# KiCad board MLU_BreakoutV2.kicad_pcb (continued)
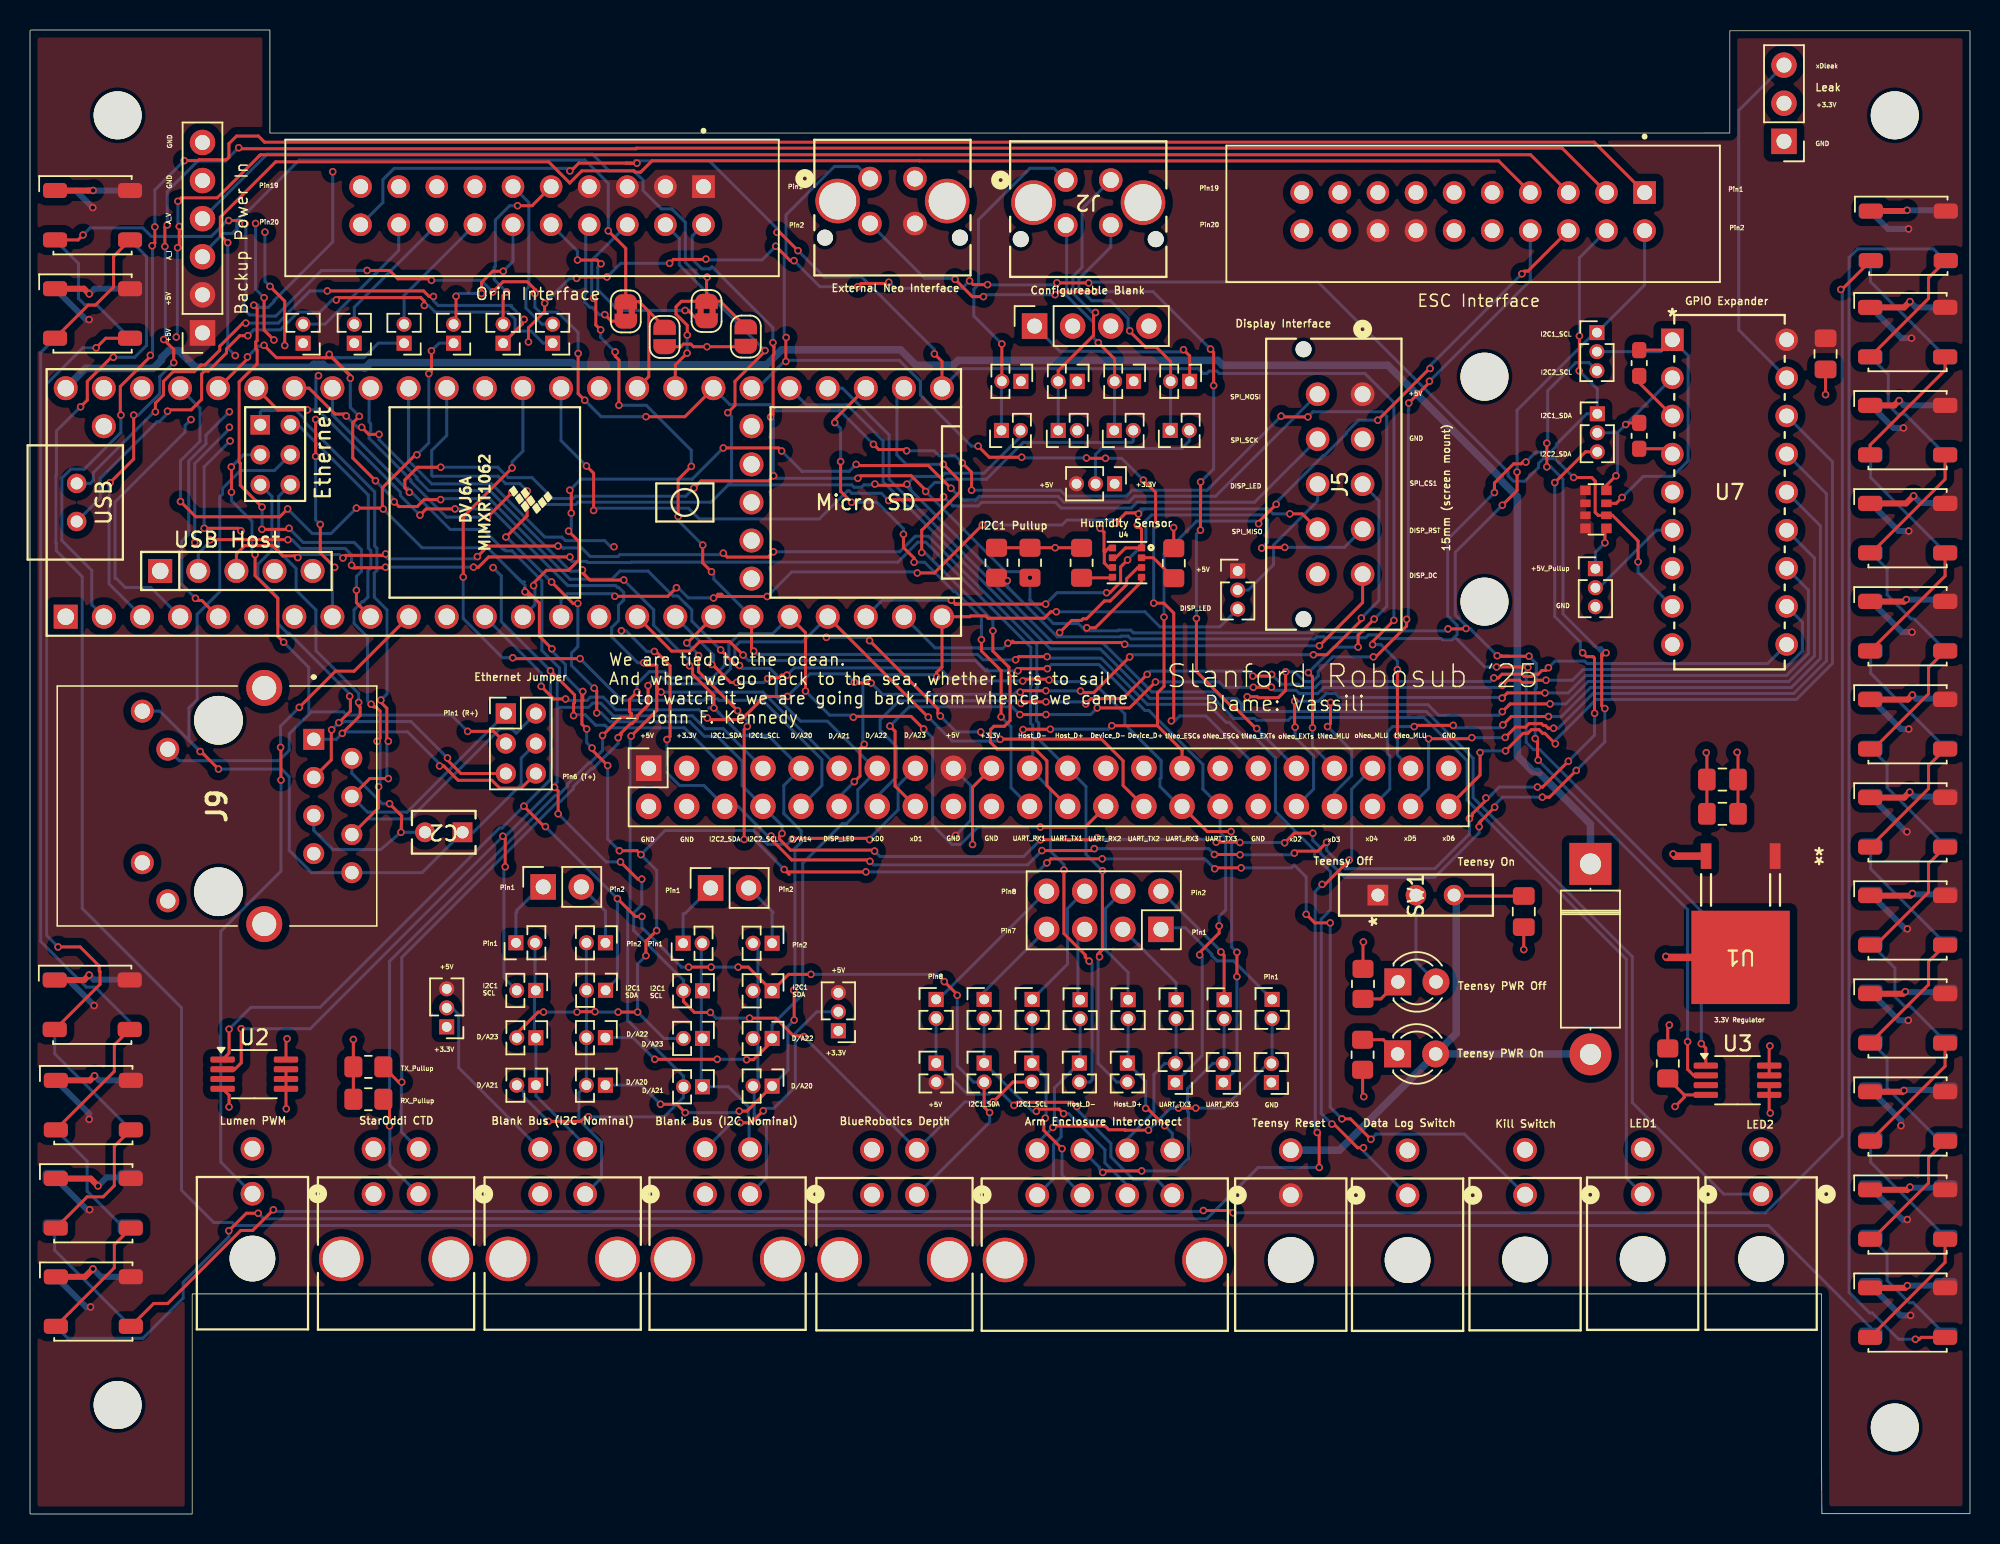
[diagram p0: board, top side]
## Routing (per net, layer and track width the routed paths; a pad name or vN(x,y) marks a point on that pad's centre or on a via; arc(x,y) is an arc through that point) (continued)
I2C1_SCL: length 333.6
  Top w0.2: v1(70.45,59.1) 71.02,59.1 74.1,62.18 U4.4 ; v1(49.57,69.23) 49.24,68.89 44.74,68.89 v1(44.26,68.41) ; v1(27.38,69.8) 25.84,69.8 24.99,68.95 24.99,68.43 v1(25.29,68.13) ; v1(34.97,48.46) 35.21,48.22 v1(35.21,46.69) ; v1(100.35,51.71) 100.51,51.55 100.51,50.27 ; JP11.2 43.56,34.18 44.3,33.45 v1(45.36,33.45) ; v1(49.37,73.14) 49.54,73.31 49.54,77.28 49.6,77.34 49.6,77.83 49.54,77.89 49.54,78.1 v1(49.53,78.11) ; 98.56,57.2 v1(99.93,57.2) ; 98.56,57.2 97.85,57.2 v1(97.82,57.23) ; 98.56,57.2 98.12,57.2 98.08,57.23 ; v1(39.36,43.48) 40.51,42.34 v1(40.79,42.34) ; v1(99.14,69.48) 99.14,68.25 v1(98.16,67.27) ; v1(55.19,69.07) 55.36,69.23 58.75,69.23 59.71,68.27 v1(59.71,68.18) ; U2.2 13.65,29.66 14.08,30.08 v1(14.08,32.36) ; 51.59,31.88 50.9,31.88 49.72,33.07 v1(47.97,33.07) ; v1(31.52,45.2) 31.68,45.04 v1(31.68,43.16) ; v1(95.74,59.05) 95.71,59.02 v1(94.54,59.02) ; v1(110.51,31.49) 110.51,29.65 110.91,29.25 U3.2 ; JP36.2 65.52,28.8 v1(64.21,27.48)
  Bottom w0.2: v1(110.51,31.49) 110.51,40.3 v1(100.55,50.27) ; 35.15,53.79 35.15,55.83 35.3,55.98 35.3,56.41 34.12,57.59 34.12,62.23 32.13,64.23 31.72,64.23 31.65,64.3 31.57,64.3 30.22,65.65 28.02,65.65 26.23,67.44 26.14,67.44 25.17,68.41 ; 35.15,53.79 37.23,53.79 37.51,54.07 38.05,54.07 38.89,53.23 44.15,53.23 45.02,52.37 46.22,52.37 J8.7 ; 35.15,53.79 35.15,48.82 34.83,48.5 ; v1(47.97,33.07) 45.74,33.07 v1(45.36,33.45) ; v1(99.93,57.2) 100.42,56.72 100.42,55.1 100.35,55.02 v1(100.35,51.71) ; JP23.2 31.6,35.76 31.6,43.08 v1(31.68,43.16) ; v1(49.37,73.14) 49.56,72.96 49.56,69.28 49.62,69.21 ; v1(14.08,32.36) 18.69,32.36 v1(31.52,45.2) 31.7,45.2 34.83,48.32 34.83,48.5 ; v1(55.19,69.07) 49.77,69.07 49.62,69.21 ; v1(98.16,67.27) 95.02,64.13 95.02,59.96 95.74,59.24 v1(95.74,59.05) 96,59.05 v1(97.82,57.23) ; 34.83,48.5 34.87,48.46 v1(34.97,48.46) ; J13.2 44.15,85.22 44.15,83.68 44.79,83.03 45.33,83.03 45.46,83.16 45.48,83.16 49.53,79.11 v1(49.53,78.11) ; v1(25.29,68.13) 25.29,68.29 25.17,68.41 ; 70.38,58.9 70.45,58.97 v1(70.45,59.1) ; 70.38,58.9 69.89,59.38 68.23,59.38 66.66,60.95 67.03,60.57 66.67,60.94 v1(66.67,62.43) 66.26,62.84 65.05,62.84 v1(59.71,68.18) 60.31,68.79 60.94,68.79 61.15,69 63.76,69 66.22,71.46 73.46,71.46 73.55,71.55 JP47.2 ; 70.38,58.9 72.53,58.9 72.59,58.95 73.37,58.95 73.56,58.76 85.48,58.76 85.62,58.9 86.4,58.9 86.44,58.86 88.9,58.86 89.07,59.03 89.94,59.03 90.07,58.9 94.41,58.9 v1(94.54,59.02) ; JP8.1 107.64,81.96 J7.2 ; v1(49.57,69.23) 49.6,69.23 49.62,69.21 ; v1(35.21,46.69) 38.42,43.48 v1(39.36,43.48) ; U6.41 20.16,73.29 25.04,68.41 25.17,68.41 ; v1(64.21,27.48) 62.33,27.48 J17.3 v1(51.59,31.84) ; v1(40.79,42.34) 40.79,40.62 40.24,40.07 40.24,38.92 43.56,35.6 JP11.2 ; v1(27.38,69.8) 31.18,69.8 31.87,69.11 33.47,69.11 34.86,67.72 36.21,67.72 36.36,67.87 43.72,67.87 v1(44.26,68.41) ; v1(99.14,69.48) 99.14,73.6 104.32,78.78
I2C1_SDA: length 320.4
  Top w0.2: v1(97.77,56.48) 99.83,56.48 v1(99.86,56.45) ; v1(47.21,36.47) 47.89,36.47 JP14.1 50.57,35.99 v1(52.06,35.99) ; v1(46.52,73.44) 47,73.93 47,75.53 49,77.53 v1(49,77.58) ; v1(36.24,53.24) 36.24,54.04 36.31,54.1 36.31,54.62 34.6,56.32 ; v1(30.5,66.48) 32.12,68.1 v1(32.12,68.13) ; 58.39,68.6 56.41,68.6 v1(56.33,68.68) ; v1(68.64,58.78) 69.45,59.59 70.09,59.59 70.2,59.7 70.44,59.7 71.63,60.89 72.01,60.89 73.11,61.99 73.11,62.37 73.86,63.12 U4.3 ; v1(97.63,68.12) 97.63,68.75 98.91,70.03 99.4,70.03 99.52,70.15 v1(99.72,70.15) ; U2.1 13.27,30.73 v1(13.27,32.33) ; v1(40.79,39.85) 40.35,39.85 v1(39.16,41.04) ; v1(45.41,36.47) v1(43.91,36.47) ; v1(103.28,76.23) 103.3,76.24 v1(103.3,78.56) ; v1(61.82,34.59) 61.82,34.64 v1(60.95,35.5) ; v1(65.15,62.24) 64.63,62.24 ; v1(32.92,47.2) 34.28,45.84 v1(34.36,45.84) ; JP35.2 63.61,27.14 v1(63.98,26.77) ; v1(111.42,31.36) 111.72,31.06 U3.1
  In2.Cu w0.2: v1(30.87,63.11) 30.87,66.1 v1(30.5,66.48)
  Bottom w0.2: 68.49,58.5 68.6,58.61 68.6,58.74 v1(68.64,58.78) ; 68.49,58.5 72.7,58.5 72.75,58.55 73.21,58.55 73.4,58.35 85.64,58.35 85.78,58.5 86.24,58.5 86.3,58.44 89.05,58.44 89.24,58.63 89.78,58.63 90.02,58.38 94.08,58.38 94.16,58.3 94.8,58.3 94.99,58.48 ; 68.49,58.5 65.61,61.38 ; J8.5 43.62,52.43 38.51,52.43 38.34,52.6 37.71,52.6 37.01,53.3 36.3,53.3 v1(36.24,53.24) ; 58.71,68.27 58.71,68.42 v1(58.46,68.67) ; 58.71,68.27 58.39,68.6 58.98,69.19 60.77,69.19 60.98,69.4 63.6,69.4 66.03,71.84 JP45.2 ; 58.71,68.27 65.61,61.38 ; v1(46.52,73.44) 46.77,73.19 46.77,68.85 46.55,68.63 ; v1(40.79,39.85) 40.79,39.11 43.44,36.47 v1(43.91,36.47) ; v1(103.3,78.56) 103.3,83.77 J7.4 ; v1(61.82,34.59) 61.82,29.89 62.9,28.8 JP35.2 ; 22.61,74.98 22.61,72.82 22.71,72.71 22.71,72.22 22.61,72.11 22.61,71.74 25.39,68.95 25.39,68.85 27.77,66.48 v1(30.5,66.48) ; 46.55,68.63 45.4,67.47 36.53,67.47 36.38,67.32 33.11,67.32 32.3,68.13 v1(32.12,68.13) ; 46.55,68.63 46.56,68.63 54.78,68.63 54.94,68.47 55.44,68.47 55.6,68.63 56.28,68.63 v1(56.33,68.68) ; 94.99,58.48 95.14,58.63 95.14,59.27 94.51,59.9 94.51,65 v1(97.63,68.12) ; 94.99,58.48 96.99,56.48 v1(97.77,56.48) ; v1(49,77.58) 43.29,83.29 43.29,85.04 J13.4 ; JP18.1 39.16,35.71 v1(39.16,41.04) v1(34.36,45.84) ; v1(103.28,76.23) 104.49,75.02 JP9.1 103.79,73.37 101.78,71.36 101.78,71.22 101.37,70.81 100.39,70.81 v1(99.72,70.15) ; 65.61,61.38 65.15,61.84 v1(65.15,62.24) ; v1(30.87,63.11) 31.42,62.56 31.42,59.51 v1(34.7,56.23) 34.7,48.97 v1(32.92,47.2) 31.47,45.75 31.3,45.75 19.34,33.79 14.73,33.79 v1(13.27,32.33) ; v1(47.21,36.47) v1(45.41,36.47) ; J17.1 63.98,26.13 v1(63.98,26.77) ; v1(52.06,35.99) 60.47,35.99 v1(60.95,35.5) ; v1(99.86,56.45) 99.75,56.34 99.75,51.46 100.23,50.97 100.65,50.97 111.42,40.2 v1(111.42,31.36)
I2C2_SCL: length 142.8
  Top w0.2: v1(100.82,47.8) 101.3,47.8 v1(103.09,49.59) ; 96.76,46.25 v1(97.64,47.13) ; 96.76,46.25 96.61,46.1 ; 96.76,46.25 96.68,46.17 96.68,45.9 v1(96.61,45.83) ; v1(104.99,53.71) 104.78,53.92 104.78,57.19 ; v1(31.73,65.15) 33.14,66.57 v1(33.14,68.22) ; v1(56.3,44.21) 56.24,44.27 50.7,44.27 49.96,45.01 49.96,45.21 v1(50.14,45.38) ; v1(80.66,44.78) 80.64,44.8 v1(79.08,44.8) ; 104.84,57.38 104.78,57.32 104.78,57.19 ; v1(34.77,62.15) 36.2,60.72 v1(36.52,60.72) ; v1(67.36,44.96) 71.03,44.96 v1(71.16,45.09) ; 104.78,57.19 105.02,57.43 v1(105.07,57.43) ; v1(37.61,55.07) 37.78,54.9 v1(37.78,53.42) ; v1(101.12,69.83) v1(101.12,71.41) ; v1(83.64,44.76) 84.28,45.4 v1(85.52,45.4)
  Bottom w0.2: v1(67.36,44.96) 66.24,43.84 56.67,43.84 v1(56.3,44.21) ; JP8.3 103.92,76.78 103.05,76.78 101.18,74.91 101.18,71.47 v1(101.12,71.41) ; v1(37.78,53.42) 38.08,53.42 38.67,52.83 43.99,52.83 44.96,51.86 45.82,51.86 47.47,50.21 47.47,48.58 J8.8 50.14,45.91 v1(50.14,45.38) ; 104.84,57.38 104.41,57.82 ; 104.41,57.82 102.2,60.02 102.2,69.01 101.38,69.83 v1(101.12,69.83) ; 104.41,57.82 104.46,57.76 104.74,57.76 v1(105.07,57.43) ; v1(37.61,55.07) 36.1,56.58 36.1,57.41 36.52,57.84 v1(36.52,60.72) ; v1(71.16,45.09) 71.26,44.99 78.89,44.99 v1(79.08,44.8) ; v1(34.77,62.15) 31.77,65.15 v1(31.73,65.15) ; 96.61,46.1 96.61,45.42 93.64,42.45 87.65,42.45 86.04,44.05 86.04,44.41 85.52,44.93 v1(85.52,45.4) ; v1(97.64,47.13) 97.64,47.27 98.17,47.8 101.12,47.8 ; v1(103.09,49.59) 104.99,51.49 v1(104.99,53.71) ; v1(33.14,68.22) 32.65,68.71 31.71,68.71 31.21,69.2 26.84,69.2 26.78,69.26 26.78,70.92 27.78,71.92 U6.38 ; v1(80.66,44.78) 83.62,44.78 v1(83.64,44.76)
I2C2_SDA: length 132.4
  Top w0.2: v1(86.44,44.79) 85.85,44.2 84.42,44.2 v1(84.29,44.07) ; v1(104.31,53.4) 104.31,53.47 104.3,53.48 104.3,57.07 104.2,57.17 103.77,57.17 v1(103.51,57.43) ; v1(95.96,46.37) 96.15,46.56 96.15,46.68 96.96,47.49 ; 96.96,47.49 96.96,47.65 v1(97.06,47.75) ; 96.96,47.49 97.1,47.63 ; v1(70.95,44.37) 70.82,44.24 v1(67.46,44.24) ; v1(100.5,48.48) 100.84,48.48 v1(102.56,50.2) ; JP9.3 103.7,70.83 v1(101.65,68.78) ; v1(78.96,43.98) 80.65,43.98 v1(80.67,43.96) ; v1(41.63,57.52) 41.72,57.52 42.67,56.57 42.67,51.85 v1(42.46,51.65) ; v1(55.99,43.52) 55.9,43.62 50.78,43.62 49.41,45 v1(49.41,45.21)
  In2.Cu w0.2: v1(38.93,64.5) 40.18,63.25 40.18,61.61 39.38,60.81 39.38,58.95 v1(39.43,58.9)
  Bottom w0.2: v1(102.56,50.2) 104.31,51.95 v1(104.31,53.4) ; v1(38.93,64.5) 38.72,64.5 38.31,64.91 35.69,64.91 35.45,65.15 34.32,65.15 30.78,68.69 26.79,68.69 25.24,70.24 U6.39 ; v1(100.5,48.48) 97.95,48.48 97.48,48.01 ; v1(101.65,68.78) 101.65,59.85 103.36,58.15 103.36,57.59 v1(103.51,57.43) ; v1(97.06,47.75) 97.22,47.75 97.48,48.01 ; v1(95.96,46.37) 95.96,45.34 93.65,43.03 87.67,43.03 86.44,44.26 v1(86.44,44.79) ; v1(49.41,45.21) 49.18,45.21 47.21,47.19 J8.6 44.93,48.58 43.31,48.58 42.46,49.42 v1(42.46,51.65) ; v1(67.46,44.24) 66.51,43.29 56.23,43.29 v1(55.99,43.52) ; v1(70.95,44.37) 78.57,44.37 v1(78.96,43.98) ; 97.1,47.63 97.48,48.01 ; v1(84.29,44.07) 84.18,43.96 v1(80.67,43.96) ; v1(41.63,57.52) 41.11,57.52 39.73,58.9 v1(39.43,58.9)
LED: length 46.8
  Top w0.2: v1(29.18,52.19) 30.91,52.19 J10.3 ; v1(15,63.98) 15,62.57 16.52,61.06 16.52,58.52 v1(16.91,58.14) ; v1(13.43,68.14) 13.43,69.81 v1(13.42,69.82)
  Bottom w0.2: 18.59,53.33 18.75,53.49 20.9,53.49 21.11,53.28 28.09,53.28 v1(29.18,52.19) ; 18.59,53.33 17.28,52.02 17.28,50.92 16.59,50.23 9.95,50.23 J9.10 ; 18.59,53.33 18.59,56.46 v1(16.91,58.14) ; v1(13.42,69.82) 14.23,70.64 U6.61 ; 13.58,67.43 13.43,67.58 ; 13.58,67.43 14.8,66.2 14.8,64.18 v1(15,63.98) ; 13.58,67.43 13.43,67.57 v1(13.43,68.14)
Lumen_PWM: length 45.3
  Top w0.2: v1(16.73,48.94) 16.73,51.1 v1(16.71,51.12) ; U6.10 21.61,56.2 20.36,56.2 v1(17.95,53.79)
  Bottom w0.2: v1(16.73,48.94) 16.73,42.87 12.72,38.86 12.72,23.46 J20.1 ; v1(16.71,51.12) 16.71,52.55 v1(17.95,53.79)
NEO_PASS1: length 9.2
  Top w0.2: LED5.2 3.81,21.15 4.88,21.15 5.62,21.9 5.62,24.52 LED4.4
NEO_PASS2: length 8.6
  Top w0.2: LED9.2 122.67,71.28 127.67,76.28 LED8.4
NEO_PASS3: length 8.6
  Top w0.2: LED12.4 126.57,49.91 126.57,48.37 LED13.2
NEO_PASS4: length 8.6
  Top w0.2: LED16.4 126.57,23.76 126.57,22.08 122.81,18.32
NEO_PASS5: length 8.9
  Bottom w0.2: LED20.4 123.89,75.98 123.89,73.95 124.49,73.34 125.01,73.34 LED21.2
NEO_PASS6: length 8.6
  Bottom w0.2: LED25.2 123.81,48.45 123.81,49.97 LED24.4
NEO_PASS7: length 8.6
  Bottom w0.2: LED28.4 122.71,23.46 LED29.2
NEO_PASS8: length 49.3
  Bottom w0.2: LED33.2 6.64,32.83 4.34,35.13 3.76,35.13 0.71,38.18 0.71,77.45 LED32.4
outNEO_CTRL_ESCs: length 49.8
  Top w0.2: v1(81.15,54.5) 81.82,54.5 81.88,54.43 83.21,54.43 83.71,54.93 v1(83.71,56.16) ; v1(89.56,57.16) 89.72,57.16 91.77,59.21 v1(91.77,59.66) ; v1(93.3,75.54) 93.3,75.46 v1(91.92,74.08)
  In2.Cu w0.2: v1(81.15,54.5) 80.73,54.07 80.76,54.04 80.76,53.54 80.41,53.19 79.91,53.19 79.88,53.23 79.34,52.69 J8.31
  Bottom w0.2: v1(91.92,74.08) 91.92,73.64 91.89,73.61 91.89,59.78 v1(91.77,59.66) ; v1(83.71,56.16) 84.31,56.16 84.96,55.51 85.5,55.51 85.88,55.89 85.88,56.19 86.85,57.16 v1(89.56,57.16) ; J7.8 100.02,82.26 v1(93.3,75.54)
outNEO_CTRL_EXTs: length 57.8
  Top w0.2: v1(78.04,68.82) 78.04,67.35 78.03,67.34 v1(78.03,65.61) ; v1(63.56,81.18) 62.82,81.18 v1(61.67,82.33) ; v1(77.76,59.72) 77.76,56.19 80.16,53.79 80.33,53.79 81.74,52.38 v1(81.78,52.38) ; v1(71.03,81.51) 68.54,81.51 v1(68.34,81.31) ; v1(78.91,75.25) 78.91,77.47 v1(78.7,77.68)
  Bottom w0.2: v1(63.56,81.18) 63.69,81.31 v1(68.34,81.31) ; J4.3 59.65,82.4 61.6,82.4 v1(61.67,82.33) ; v1(77.76,59.72) 77.76,65.34 v1(78.03,65.61) ; v1(78.04,68.82) 78.91,69.69 v1(78.91,75.25) ; v1(78.7,77.68) 74.87,81.51 v1(71.03,81.51) ; v1(81.78,52.38) 81.78,52.37 J8.35
outNEO_CTRL_MLU: length 118.9
  Top w0.2: v1(85.82,25.45) 85.95,25.32 v1(85.95,23.11) ; v1(87.95,43.61) 86.33,41.99 v1(86.15,41.99) ; v1(15.21,20.06) 14.42,20.06 v1(13.25,18.89)
  Bottom w0.2: LED36.4 2.52,11.72 7.53,11.72 10.21,14.41 10.21,15.45 13.25,18.49 v1(13.25,18.89) ; v1(15.21,20.06) 15.58,19.69 78.45,19.69 81.87,23.11 v1(85.95,23.11) ; 87.91,43.57 88.11,43.77 88.11,48.34 J8.39 ; v1(86.15,41.99) 85.68,41.52 85.68,25.58 v1(85.82,25.45)
PWM0: length 135.7
  Top w0.2: v1(10.28,90.25) 11.2,90.25 11.26,90.31 13.1,90.31 13.26,90.47 13.26,91.38 13.77,91.89 15.22,91.89 15.63,91.48 104.28,91.48 J7.1 ; v1(8.02,77.27) 8.02,77.19 6.02,75.19 6.02,73.32 v1(6.06,73.28) ; v1(8.14,84.57) 8.32,84.75 v1(8.32,85.83)
  Bottom w0.2: v1(8.32,85.83) 8.32,88.29 v1(10.28,90.25) ; v1(8.14,84.57) 8.17,84.54 8.17,77.42 v1(8.02,77.27) ; U6.2 4.12,60.63 4.12,62.92 2.12,64.92 2.12,69.08 2.72,69.67 3.62,69.67 6.06,72.12 v1(6.06,73.28)
PWM1: length 130.1
  Top w0.2: v1(9.15,85.96) 8.99,85.8 v1(8.99,84.52) ; J7.3 102.14,91.08 40.43,91.08 40.39,91.04 13.98,91.04 v1(13.91,91.11) ; v1(9.58,76.78) 9.58,77.66 v1(8.92,78.32) ; v1(6.91,73.28) 6.91,70.35 v1(5.33,68.77)
  Bottom w0.2: v1(9.58,76.78) 8.65,75.85 8.65,74.71 7.22,73.28 v1(6.91,73.28) ; v1(9.15,85.96) 9.15,88.2 11.12,90.17 11.12,90.21 13.01,90.21 v1(13.91,91.11) ; v1(8.92,78.32) 9.02,78.42 9.02,84.49 v1(8.99,84.52) ; v1(5.33,68.77) 5.27,68.71 5.27,62.02 U6.3
PWM2: length 128.5
  Top w0.2: J7.5 100.04,90.64 15.38,90.64 15.31,90.57 15.29,90.57 12.49,87.77 10.09,87.77 v1(9.86,87.54) ; v1(9.84,84.44) 9.95,84.55 v1(9.95,85.86)
  In1.Cu w0.2: v1(9.75,78.48) 9.75,77.8 11.1,76.45 11.1,73.35 v1(10.73,72.98)
  Bottom w0.2: U6.4 8.05,61.78 6.35,61.78 5.74,62.39 5.67,62.39 5.67,67.49 10.34,72.16 10.34,72.59 v1(10.73,72.98) ; v1(9.75,78.48) 9.82,78.55 9.82,84.42 v1(9.84,84.44) ; v1(9.86,87.54) 9.86,85.95 v1(9.95,85.86)
PWM3: length 120.7
  Top w0.2: U6.5 11.45,60.92 11.17,60.92 v1(11.03,61.06) ; J7.7 97.91,90.23 59.29,90.23 59.28,90.24 41.47,90.24 40.71,89.48 40.34,89.48 40.26,89.57 36.79,89.57 35.98,88.76 35.98,88.76 34.57,90.17 16.38,90.17 12.69,86.48 12.69,85.27 v1(13.18,84.78)
  In2.Cu w0.2: v1(13.68,77.25) 13.68,73.89 v1(13.29,73.5)
  Bottom w0.2: v1(13.18,84.78) 13.18,77.75 v1(13.68,77.25) ; v1(13.29,73.5) 11.73,71.94 11.73,71.37 10.58,70.22 10.58,65.33 10.12,64.87 10.12,61.97 v1(11.03,61.06)
PWM4: length 119.4
  Top w0.2: v1(16.26,78.29) 15.6,78.95 v1(15.6,81.11)
  In2.Cu w0.2: v1(13.29,72.47) 14.41,73.59 15.15,73.59 16.33,74.77 16.33,78.22 v1(16.26,78.29) ; J7.9 94.11,91.49 16.63,91.49 15.16,90.02 15.16,86.18 v1(15.04,86.06) ; v1(10.98,64.78) 12.66,63.1 12.66,62.25 U6.6
  Bottom w0.2: v1(15.6,81.11) 15.04,81.67 v1(15.04,86.06) ; v1(13.29,72.47) 13.29,72.36 10.98,70.05 v1(10.98,64.78)
PWM5: length 118.1
  Top w0.2: v1(16,81.86) 16.98,80.88 v1(16.98,77.92) ; v1(11.61,65.73) 13.89,65.73 v1(14.06,65.56)
  In1.Cu w0.2: v1(16.98,77.92) 16.98,76.33 16.18,75.53 16.18,74.61 15.16,73.59 14.4,73.59 14.4,72.62 v1(13.34,71.56)
  In2.Cu w0.2: J7.11 91.97,91.09 17.07,91.09 15.56,89.58 15.66,89.48 v1(15.66,85.48) ; v1(14.06,65.56) 14.06,64.14 15.2,63 15.2,62.25 U6.7
  Bottom w0.2: v1(16,81.86) 15.66,82.2 v1(15.66,85.48) ; v1(11.61,65.73) 11.61,69.83 v1(13.34,71.56)
PWM6: length 110
  Top w0.2: v1(19.04,72.99) v1(19.04,70.53) ; v1(20.31,63.13) 19.35,64.09 v1(19.35,65.99)
  In2.Cu w0.2: J7.13 89.83,90.69 17.37,90.69 16.29,89.61 16.65,89.25 16.65,81.04 17.4,80.29 18.39,80.29 19.01,79.68 19.01,76.53 18.63,76.16 18.63,75.72 19.04,75.31 v1(19.04,72.99)
  Bottom w0.2: U6.8 20.16,62.98 v1(20.31,63.13) ; v1(19.35,65.99) 19.04,66.3 v1(19.04,70.53)
PWM7: length 111.8
  Top w0.2: v1(21.76,61.6) 21.76,60.77 U6.9 ; v1(15.46,65.66) 17.2,65.66 v1(17.27,65.73) ; v1(15.47,67.15) 14.02,68.6 14.02,70.07 13.94,70.15 13.94,75.49 15.14,76.69 15.14,77.62 15.05,77.71 15.05,78.16 15.14,78.25 15.14,80.38 v1(14.92,80.61)
  In2.Cu w0.2: v1(20.18,89.51) 20.9,90.23 36.89,90.23 37.54,89.58 40.11,89.58 40.13,89.57 40.26,89.57 40.34,89.48 40.71,89.48 41.37,90.14 87.84,90.14 J7.15
  Bottom w0.2: v1(15.46,65.66) 15.47,65.67 v1(15.47,67.15) ; v1(14.92,80.61) 14.95,80.64 15.15,80.64 15.34,80.46 15.87,80.46 16.25,80.84 16.25,80.86 16.28,80.89 16.28,80.93 20.18,84.83 v1(20.18,89.51) ; v1(21.76,61.6) 21.76,62.52 22.09,62.85 22.09,64.31 21.61,64.79 18.21,64.79 v1(17.27,65.73)
R+: length 47.1
  Top w0.2: v1(23.39,54.28) 23.39,54.13 23.79,53.73 23.79,51.63 v1(23.89,51.53) ; J9.4 22.65,49.04 v1(23.89,49.04)
  Bottom w0.2: v1(23.39,54.28) 23.8,54.69 23.8,60.29 22.95,61.14 22.95,62.75 23.13,62.93 23.13,64.4 22.98,64.55 22.98,68.15 18.3,72.84 18.3,73.03 17.74,73.59 15.45,73.59 15.35,73.49 U6.60 ; J9.4 22.5,46.8 25.13,46.8 31.13,52.8 31.72,52.8 ; v1(23.89,51.53) 23.79,51.43 23.79,49.14 v1(23.89,49.04)
R-: length 47.7
  Top w0.2: J9.6 23.24,47.09 v1(23.24,48.49) ; v1(23.14,51.53) 23.34,51.73 23.34,53.55 23.07,53.82 22.93,53.82 v1(22.74,54)
  Bottom w0.2: v1(23.24,48.49) 23.34,48.59 23.34,51.33 v1(23.14,51.53) ; J9.6 22.5,46.35 25.32,46.35 31.32,52.35 32.13,52.35 32.41,52.07 J10.2 ; 17.86,72.64 22.55,67.95 22.55,64.42 22.72,64.25 22.72,63.08 22.53,62.89 22.53,61.14 22.23,60.84 22.15,60.84 21.6,60.29 21.6,59.38 22.5,58.48 22.5,54.24 22.93,53.82
SPI_CS1: length 76
  Top w0.2: v1(35.71,54.35) 34.92,54.35 v1(34.08,55.19) ; v1(56.08,55.42) 55.01,55.42 v1(54.96,55.47) ; v1(50.49,54.52) 48.97,54.52 47.42,52.97 45.26,52.97 v1(45.15,53.08) ; v1(66.02,54.8) 66.11,54.9 v1(67.73,54.9) ; v1(88.76,59.74) 88.76,59.6 86.46,57.3 v1(85.56,57.3) ; v1(73.31,57.16) 70.93,54.77 70.14,54.77 v1(70.03,54.89)
  Bottom w0.2: v1(54.96,55.47) 54.41,56.02 51.99,56.02 v1(50.49,54.52) ; U6.12 34.08,56.07 v1(34.08,55.19) ; v1(56.08,55.42) 56.84,54.66 65.59,54.66 65.79,54.86 65.96,54.86 v1(66.02,54.8) ; v1(85.56,57.3) 73.45,57.3 v1(73.31,57.16) ; v1(45.15,53.08) 44.6,53.63 39.06,53.63 38.22,54.47 37.35,54.47 37.13,54.25 35.81,54.25 v1(35.71,54.35) ; v1(67.73,54.9) 67.74,54.89 v1(70.03,54.89) ; v1(88.76,59.74) 89.93,60.92 89.93,67.58 J5.3
SPI_MISO: length 57.3
  Top w0.2: 46.38,61.18 45.67,61.18 v1(45.57,61.08) ; 46.38,61.18 v1(49.14,61.18) ; 46.38,61.18 46.25,61.18 46.09,61.34 45.84,61.34 ; 73.81,66.76 73.06,66.76 72.37,66.07 v1(72.37,66.07) ; v1(43.1,61.77) 42.53,61.2 v1(38.98,61.2) ; v1(63.49,65.96) 60.29,62.75 v1(59.16,62.75) ; J5.9 84.82,66.69 v1(83.99,66.69)
  Bottom w0.2: 74.26,67.02 82.54,67.02 82.87,66.69 v1(83.99,66.69) ; 74.26,67.02 73.93,66.69 v1(73.9,66.69) ; 74.26,67.02 74.07,67.02 73.81,66.76 ; v1(63.49,65.96) 68.81,65.96 69.13,66.28 71.97,66.28 ; 38.9,61.29 v1(38.98,61.2) 38.9,61.29 ; 38.9,61.29 38.81,61.37 35.81,61.37 35.4,60.97 U6.14 ; 71.97,66.28 72.32,66.28 72.45,66.15 ; 71.97,66.28 72.16,66.28 v1(72.37,66.07) ; v1(49.14,61.18) 50.78,62.82 59.09,62.82 v1(59.16,62.75) ; v1(43.1,61.77) 43.21,61.77 43.89,61.08 v1(45.57,61.08)
SPI_MOSI: length 67.4
  Top w0.2: v1(46.22,71.09) 46.23,71.09 49.9,71.09 v1(50.11,70.89) ; v1(36.09,66.75) 36.09,68.17 v1(35.98,68.27) ; v1(35.9,65.54) 36.59,64.86 36.59,63.62 35.9,62.93 34.43,62.93 33.57,62.08 v1(33.57,61.91) ; v1(61.4,68.4) 59.88,69.92 55.15,69.92 v1(55.08,69.99)
  Bottom w0.2: v1(36.09,66.75) 36.09,65.73 v1(35.9,65.54) ; v1(55.08,69.99) 54.62,69.53 51.46,69.53 v1(50.11,70.89) ; v1(35.98,68.27) 36.73,69.01 44.14,69.01 v1(46.22,71.09) ; U6.13 33.66,60.63 33.66,61.82 v1(33.57,61.91) ; v1(61.4,68.4) 62.18,67.62 63.04,67.62 63.28,67.86 68.54,67.86 68.92,67.48 73.25,67.48 73.64,67.87 79.04,67.87 J5.6